# KiCad board fro_dux-v1.kicad_pcb
title: board; rev: v1.0.0; company: Unknown
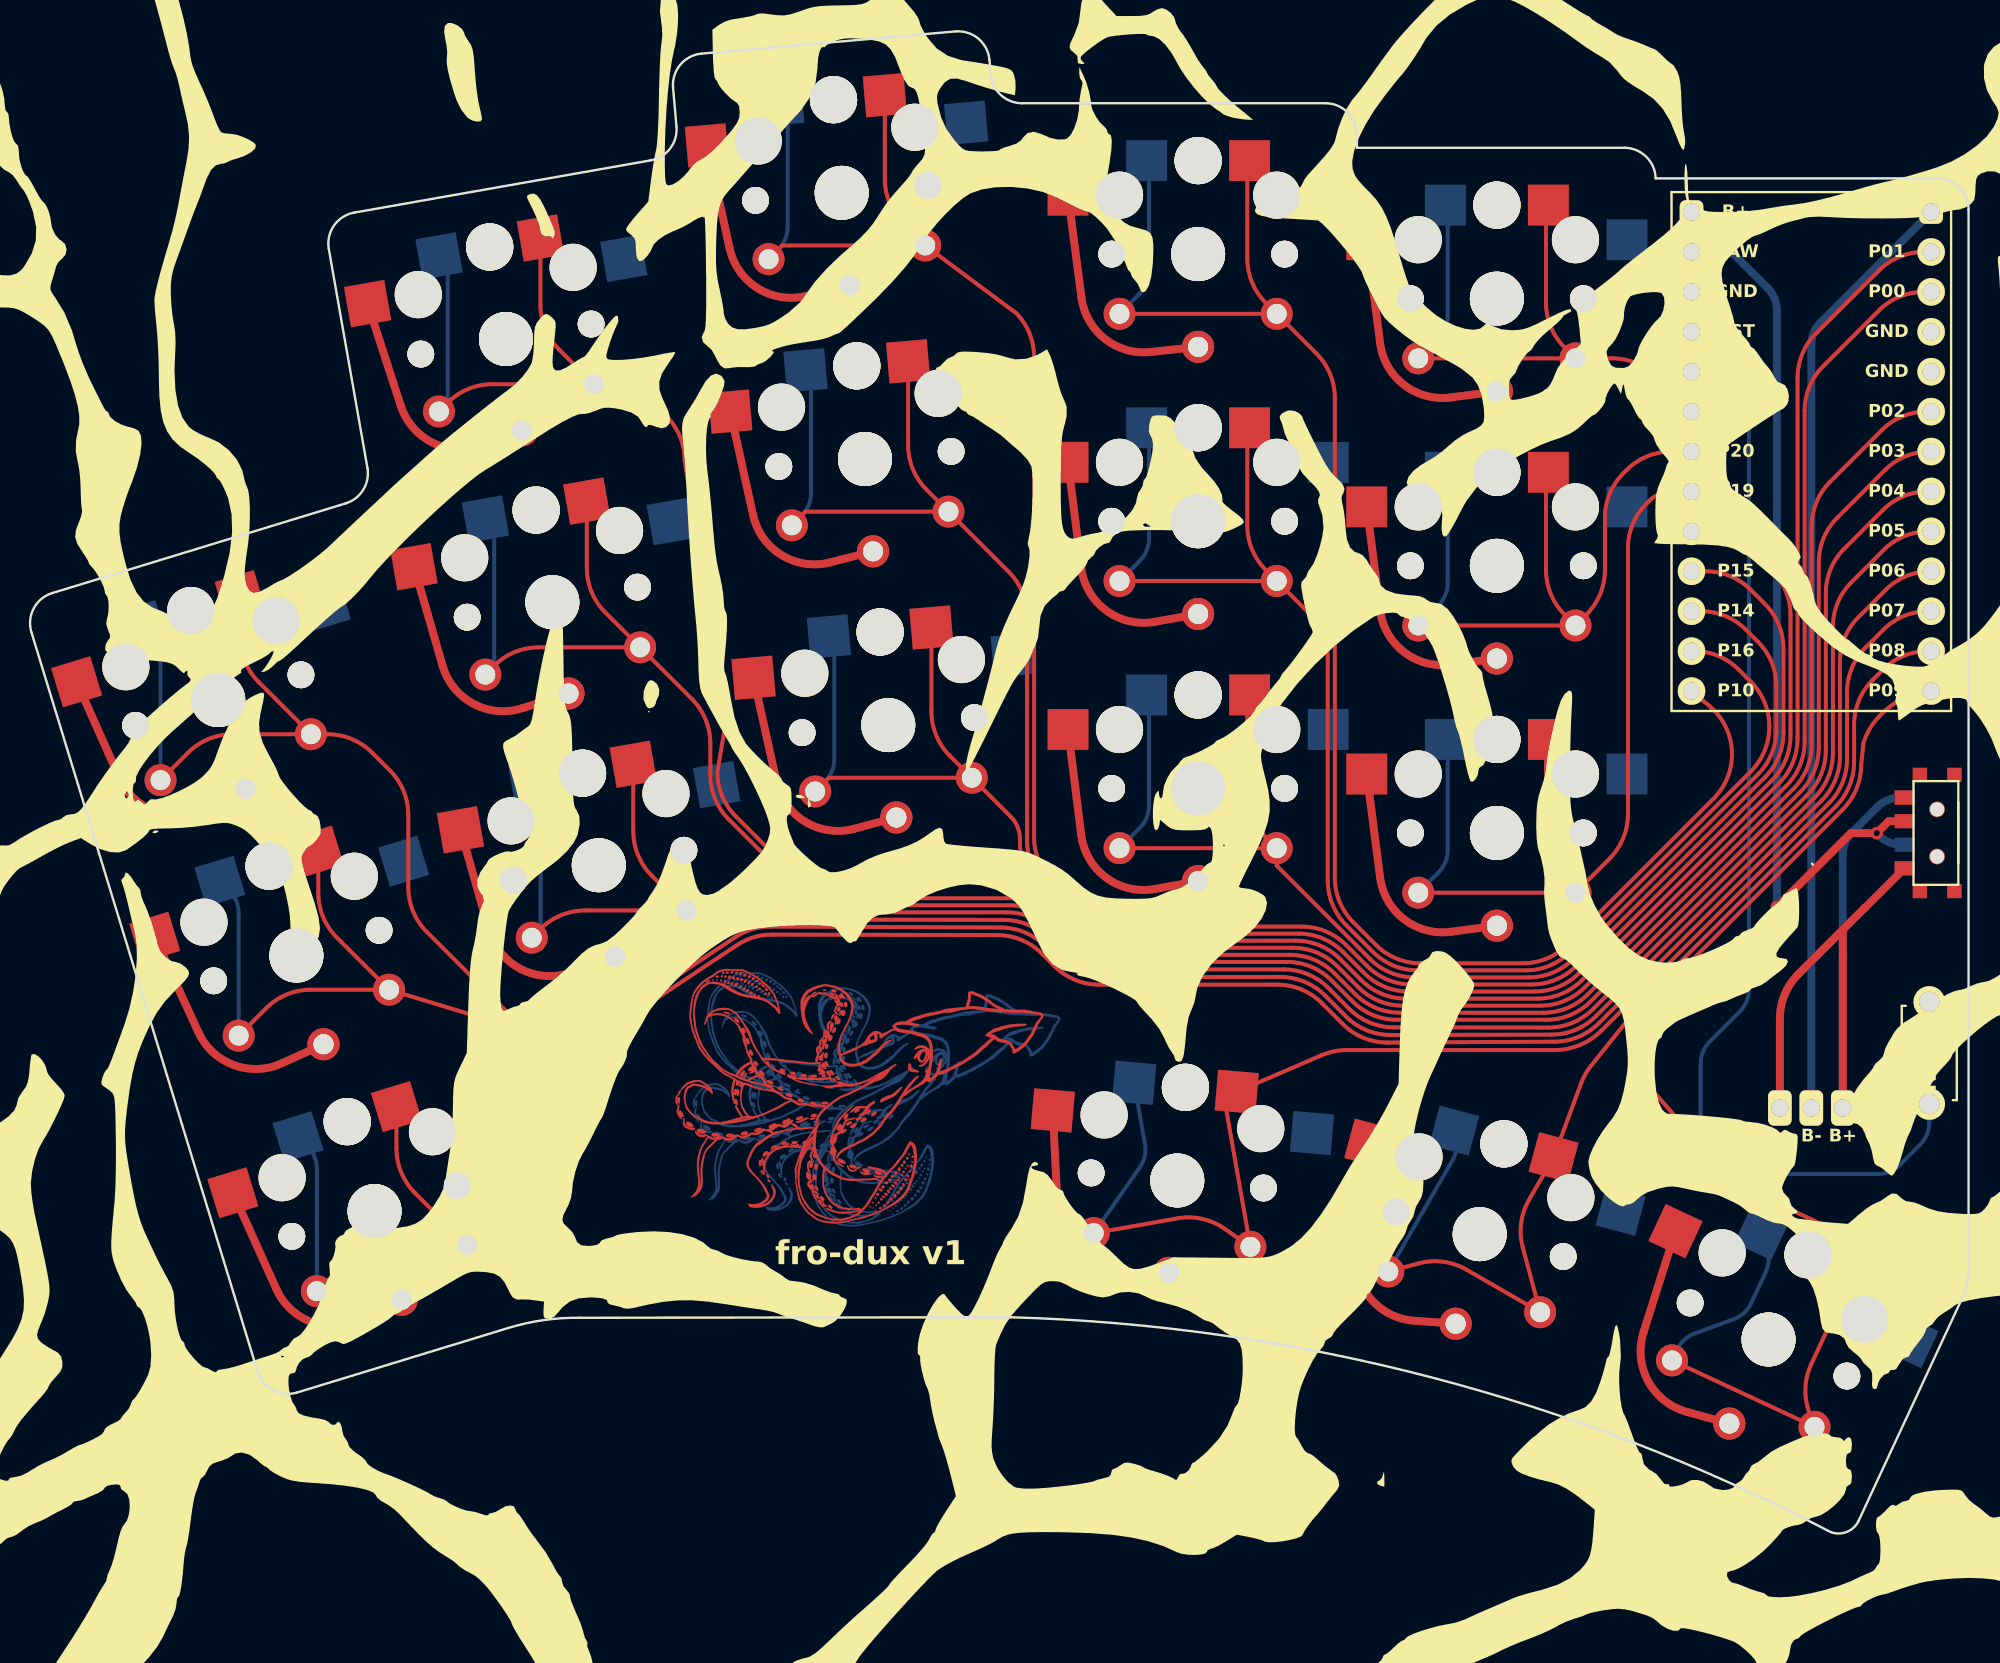
[diagram p0: board, top side]
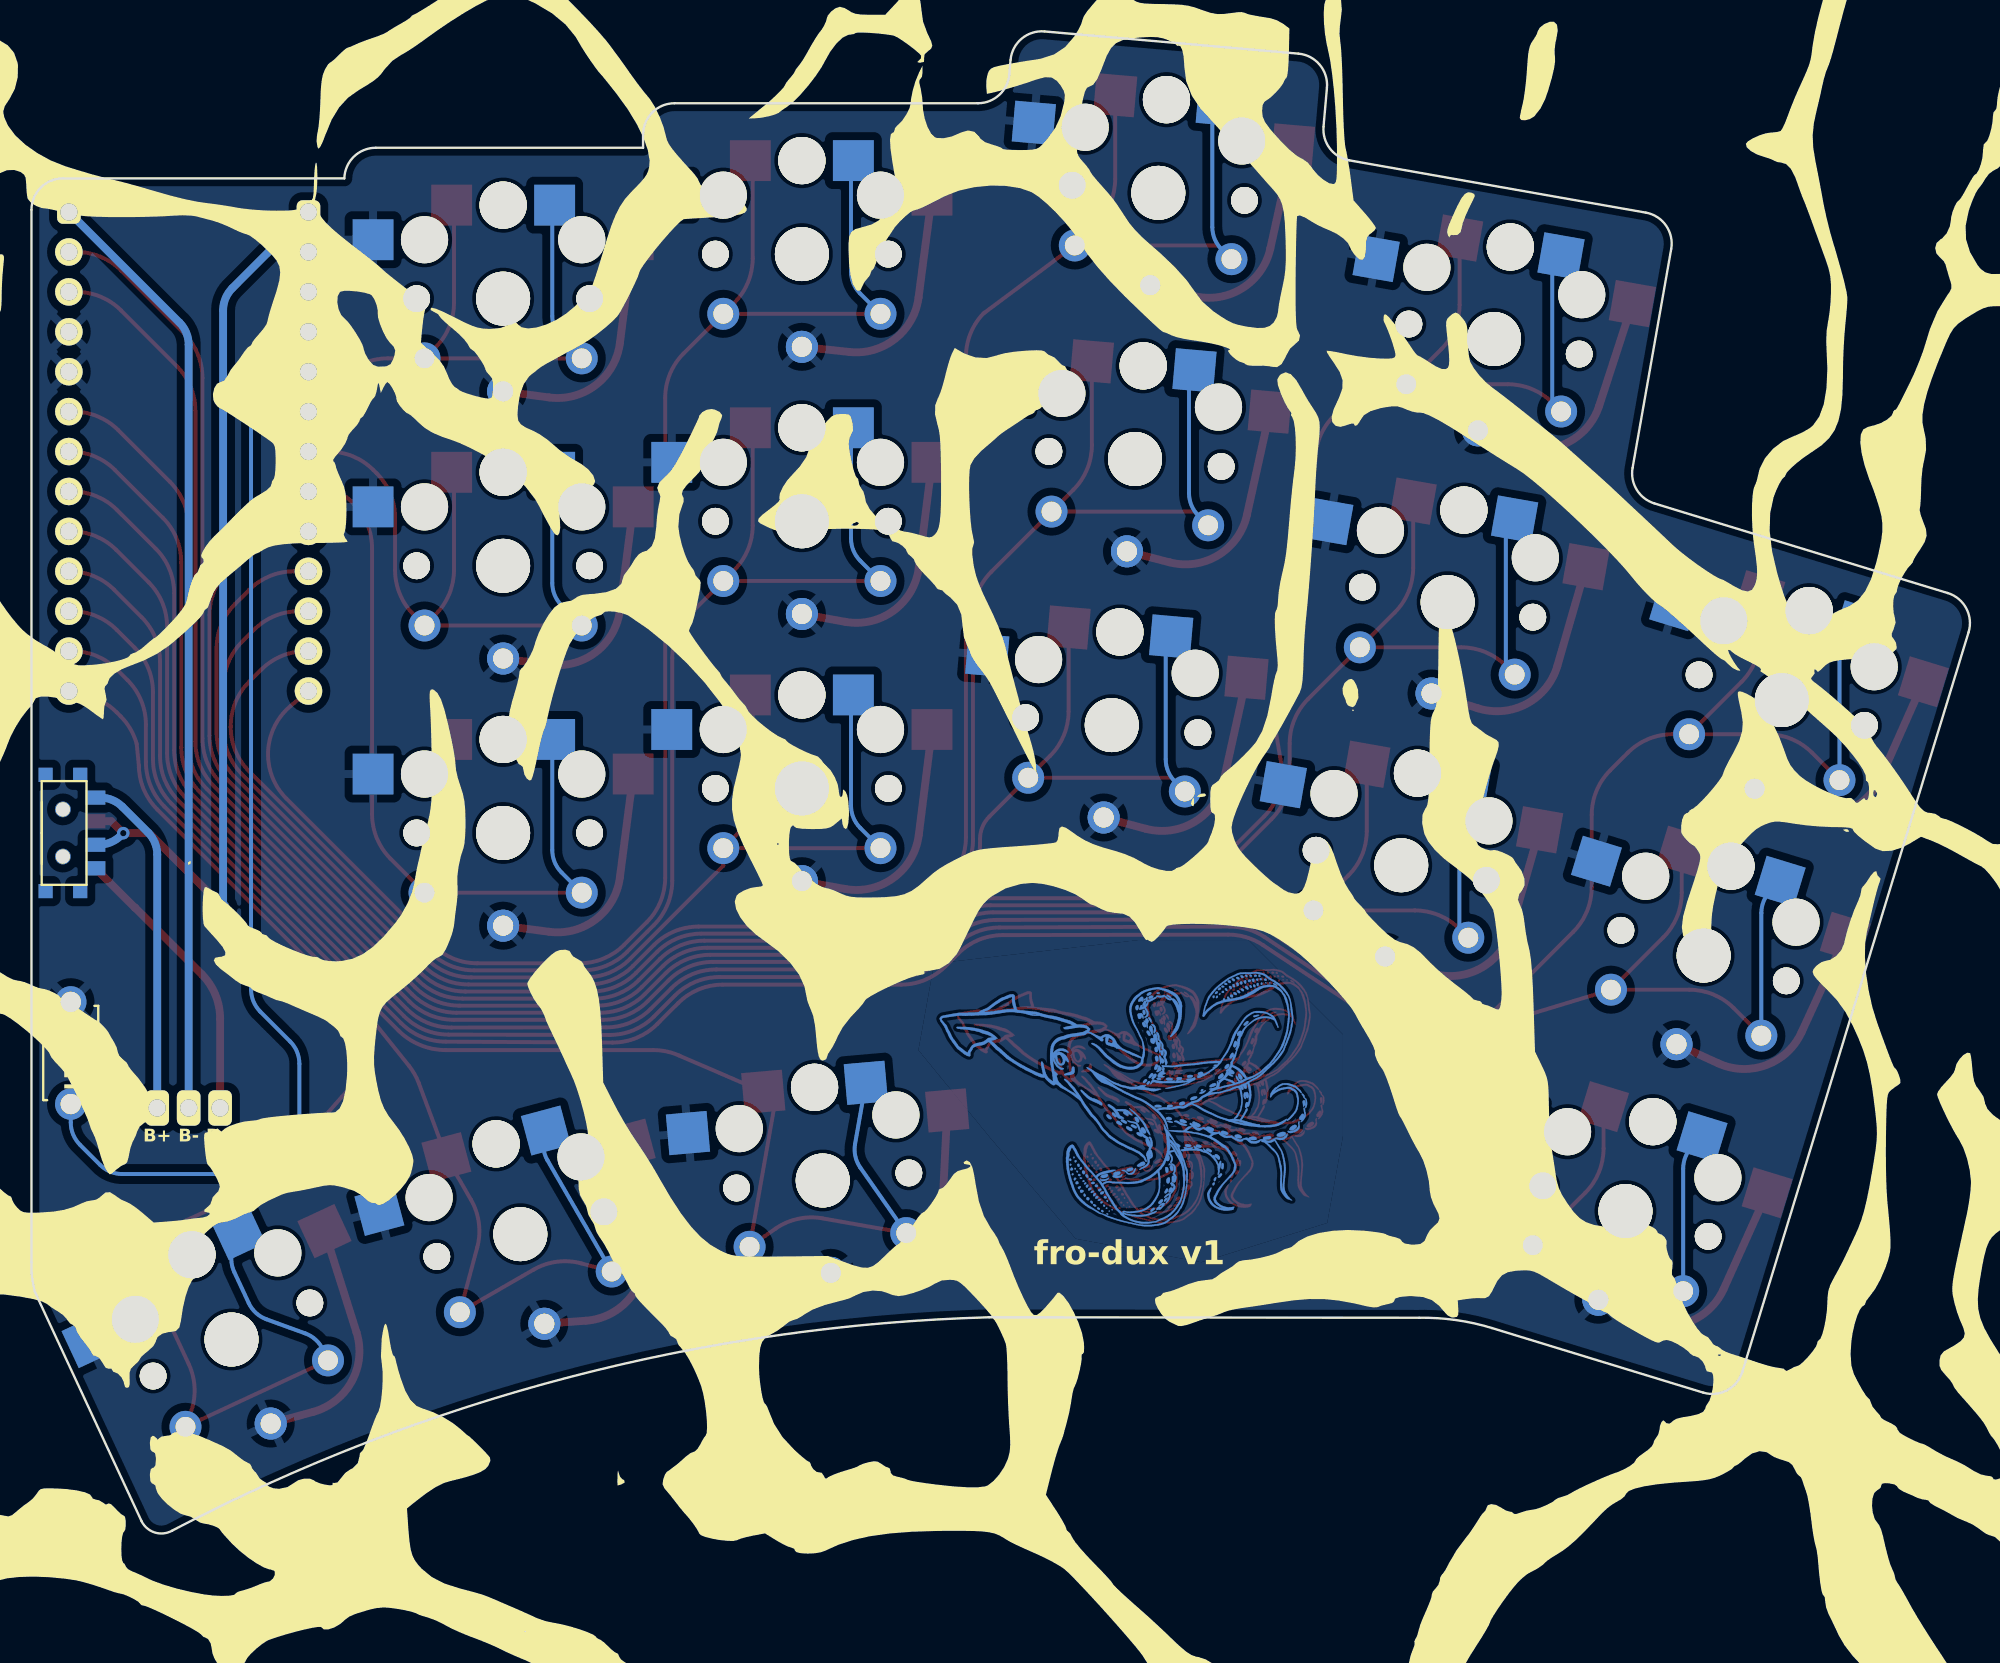
[diagram p1: board, bottom side, seen from below]

Outline 123.2 x 101.82 mm; copper layers: Top, Bottom. Coordinates in mm from the lower left corner of the outline.
Outline path: 0,63.59 arc(0.15,65.11) 1.33,66.08 19.98,71.79 arc(21.1,72.66) 21.37,74.05 18.91,87.98 arc(19.24,89.47) 20.53,90.29 39.38,93.62 arc(40.62,94.37) 41.02,95.76 40.81,98.24 arc(41.27,99.7) 42.63,100.41 58.76,101.82 arc(60.22,101.36) 60.93,100 61.01,99.08 arc(61.65,97.78) 63,97.25 82.3,97.25 arc(83.72,96.66) 84.3,95.25 84.3,94.42 101.3,94.42 arc(102.7,93.85) 103.3,92.47 121.2,92.47 arc(122.62,91.88) 123.2,90.47 123.2,23.5 arc(123.17,22.55) 122.98,21.62 116.2,7.03 arc(115.36,6.3) 114.25,6.42 arc(89.05,16.17) 62.29,20 34.94,19.97 arc(32.6,19.82) 30.31,19.31 16.88,15.21 arc(15.36,15.36) 14.38,16.54 0,63.59

## Placement (name value [footprint] x y rotation side)
B1  -  [ResetSW]  120.7 36.82 270 top
G***  -  [LOGO]  108.29 20.5 0 top
G***#2  LOGO  [BIGSQUID]  50.29 34.5 350 top
G***#3  -  [LOGO]  117.22 20.58 180 bottom
MCU1  -  [ProMicro]  113.2 73.82 270 top
PAD1  -  [bat]  113.2 33.32 0 top
S1  -  [PG1350]  21.82 26.76 17 top
S2  -  [PG1350#2]  21.82 26.76 197 top
S3  -  [PG1350]  16.85 43.01 17 top
S4  -  [PG1350#2]  16.85 43.01 197 top
S5  -  [PG1350]  11.88 59.27 17 top
S6  -  [PG1350#2]  11.88 59.27 197 top
S7  -  [PG1350]  36.08 48.76 10 top
S8  -  [PG1350#2]  36.08 48.76 190 top
S9  -  [PG1350]  33.13 65.5 10 top
S10  -  [PG1350#2]  33.13 65.5 190 top
S11  -  [PG1350]  30.18 82.25 10 top
S12  -  [PG1350#2]  30.18 82.25 190 top
S13  -  [PG1350]  54.49 57.68 5 top
S14  -  [PG1350#2]  54.49 57.68 185 top
S15  -  [PG1350]  53.01 74.61 5 top
S16  -  [PG1350#2]  53.01 74.61 185 top
S17  -  [PG1350]  51.53 91.55 5 top
S18  -  [PG1350#2]  51.53 91.55 185 top
S19  -  [PG1350]  74.2 53.65 0 top
S20  -  [PG1350#2]  74.2 53.65 180 top
S21  -  [PG1350]  74.2 70.65 0 top
S22  -  [PG1350#2]  74.2 70.65 180 top
S23  -  [PG1350]  74.2 87.65 0 top
S24  -  [PG1350#2]  74.2 87.65 180 top
S25  -  [PG1350]  93.2 50.82 0 top
S26  -  [PG1350#2]  93.2 50.82 180 top
S27  -  [PG1350]  93.2 67.82 0 top
S28  -  [PG1350#2]  93.2 67.82 180 top
S29  -  [PG1350]  93.2 84.82 0 top
S30  -  [PG1350#2]  93.2 84.82 180 top
S31  -  [PG1350]  72.88 28.7 355 top
S32  -  [PG1350#2]  72.88 28.7 175 top
S33  -  [PG1350]  92.11 25.29 345 top
S34  -  [PG1350#2]  92.11 25.29 165 top
S35  -  [PG1350#3]  110.48 18.58 335 top
S36  -  [PG1350#2]  110.48 18.58 155 top
T1  -  [SPDT_C128955]  121.2 50.82 270 top
T2  -  [SPDT_C128955#2]  121.2 50.82 270 top

## Footprints (pads in the part's own frame, mm; a bottom-side part is the same pattern mirrored in y, then rotated)
bat
  rrect 1.5x2.25 hole 1.092: 1(-2,0) 1(2,0) 2(0,0)
PG1350
  round 1.702 hole 1.702 unplated: (-5.5,0) (5.5,0)
  round 3 hole 3 unplated: (-5,3.75) (0,5.95) (0,5.95) (5,3.75)
  round 3.429 hole 3.429 unplated: (0,0)
  rect 2.6x2.6 smd far side: 1(-3.275,5.95) 2(8.275,3.75)
  rect 2.6x2.6 smd: 1(3.275,5.95) 2(-8.275,3.75)
PG1350#2
  round 1.702 hole 1.702 unplated: (-5.5,0) (5.5,0)
  round 3.429 hole 3.429 unplated: (0,0)
  round 2.032 hole 1.27: 1(-5,3.8) 1(5,3.8) 2(0,5.9) 2(0,5.9)
PG1350#3
  round 1.702 hole 1.702 unplated: (-5.5,0) (5.5,0)
  round 3 hole 3 unplated: (-5,3.75) (0,5.95) (0,5.95) (5,3.75)
  round 3.429 hole 3.429 unplated: (0,0)
  rect 2.6x2.6 smd far side: 1(-3.275,5.95) 2(8.275,3.75)
  rect 2.6x2.6 smd: 1(3.275,5.95) 2(-8.275,3.75)
ProMicro
  rect 1.753x1.753 hole 1.092: 1(-13.97,-7.62)
  round 1.753 hole 1.092: 2(-11.43,-7.62) 3(-8.89,-7.62) 4(-6.35,-7.62) 5(-3.81,-7.62) 6(-1.27,-7.62) 7(1.27,-7.62) 8(3.81,-7.62) 9(6.35,-7.62) 10(8.89,-7.62) 11(11.43,-7.62) 12(13.97,-7.62) 13(-13.97,7.62) 14(-11.43,7.62) 15(-8.89,7.62) 16(-6.35,7.62) 17(-3.81,7.62) 18(-1.27,7.62) 19(1.27,7.62) 20(3.81,7.62) 21(6.35,7.62) 22(8.89,7.62) 23(11.43,7.62) 24(13.97,7.62)
  rrect 1.5x1.5 hole 1.092: 25(-16.51,7.62) 25(-16.51,-7.62)
ResetSW
  round 2 hole 1.3: 1(3.25,0) 2(-3.25,0)
SPDT_C128955
  rect 0.9x0.9 smd: (-3.7,1.1) (-3.7,-1.1) (3.7,1.1) (3.7,-1.1)
  rect 0.9x1.25 smd: 1(2.25,-2.075) 2(-0.75,-2.075) 3(-2.25,-2.075)
SPDT_C128955#2
  rect 0.9x0.9 smd far side: (-3.7,1.1) (-3.7,-1.1) (3.7,1.1) (3.7,-1.1)
  round 1 hole 0.9 unplated: (-1.5,0) (1.5,0)
  rect 0.9x1.25 smd far side: 1(-2.25,-2.075) 2(0.75,-2.075) 3(2.25,-2.075)

## Nets
GND: B1.2 MCU1.2 MCU1.15 MCU1.16 S1.2 S2.2 S3.2 S4.2 S5.2 S6.2 S7.2 S8.2 S9.2 S10.2 S11.2 S12.2 S13.2 S14.2 S15.2 S16.2 S17.2 S18.2 S19.2 S20.2 S21.2 S22.2 S23.2 S24.2 S25.2 S26.2 S27.2 S28.2 S29.2 S30.2 S31.2 S32.2 S33.2 S34.2 S35.2 S36.2
VCC: MCU1.4
Bminus: PAD1.2
Bminus|Bplus: MCU1.25
Bplus: T1.2 T2.2
Braw: PAD1.1 T1.1 T2.1
P0: MCU1.14 S11.1 S12.1
P1: MCU1.13 S13.1 S14.1
P2: MCU1.17 S9.1 S10.1
P3: MCU1.18 S7.1 S8.1
P4: MCU1.19 S5.1 S6.1
P5: MCU1.20 S3.1 S4.1
P6: MCU1.21 S1.1 S2.1
P7: MCU1.22 S31.1 S32.1
P8: MCU1.23 S33.1 S34.1
P9: MCU1.24 S35.1 S36.1
P10: MCU1.12 S23.1 S24.1
P14: MCU1.10 S19.1 S20.1
P15: MCU1.9 S17.1 S18.1
P16: MCU1.11 S21.1 S22.1
P18: MCU1.8 S15.1 S16.1
P19: MCU1.7 S25.1 S26.1
P20: MCU1.6 S27.1 S28.1
P21: MCU1.5 S29.1 S30.1
RAW: MCU1.1
RST: B1.1 MCU1.3

Pads without a net: T1 3; T2 3

## Via types
v1: diameter 0.8, hole 0.4, Top to Bottom, 2 vias

## Routing (per net, layer and track width the routed paths; a pad name or vN(x,y) marks a point on that pad's centre or on a via; arc(x,y) is an arc through that point)
GND: length 287.6
  Top w0.5: S13.2 47.39,54.08 arc(49.22,51.53) 52.33,51.08 S14.2 ; S20.2 71.45,47.25 arc(68.37,47.96) 66.77,50.69 S19.2 ; S18.2 49.27,84.99 arc(46.2,85.47) 44.41,88.01 S17.2 ; S35.2 102.53,19.04 arc(102.83,15.93) 105.28,13.98 S36.2 ; S10.2 31.21,58.75 arc(28.11,59.03) 26.15,61.45 S9.2 ; S29.2 85.78,81.98 arc(87.31,79.32) 90.27,78.53 S30.2 ; S24.2 71.18,81.42 arc(68.28,82.25) 66.78,84.88 S23.2 ; S12.2 28.72,75.49 arc(25.57,75.62) 23.49,77.99 S11.2 ; S4.2 15.92,36.16 arc(12.87,36.05) 10.62,38.13 S3.2 ; S15.2 45.9,71.04 arc(47.71,68.5) 50.8,68.03 S16.2 ; S28.2 90.27,61.53 arc(87.31,62.32) 85.78,64.98 S27.2 ; S5.2 5.6,54.31 arc(7.89,52.17) 11.03,52.35 S6.2 ; S8.2 34.31,41.95 arc(31.14,42.15) 29.12,44.61 S7.2 ; S33.2 84.25,24.26 arc(85.13,21.23) 87.93,19.78 S34.2 ; S26.2 90.27,44.53 arc(87.31,45.32) 85.78,47.98 S25.2 ; S22.2 71.45,64.25 arc(68.37,64.96) 66.77,67.69 S21.2 ; S32.2 69.6,22.61 arc(66.64,23.59) 65.29,26.4 S31.2 ; S1.2 15.58,21.79 arc(17.88,19.66) 21.01,19.85 S2.2
Bminus: length 60.1
  Bottom w0.5: PAD1.2 113.2,81.88 arc(113.35,82.64) 113.79,83.29 120.82,90.33
Bplus: length 58.7
  Top w0.5: T1.2 118.13,51.57 v1(117.36,50.8) 115.71,50.8 v1(111.01,46.11)
  Bottom w0.5: 105.58,90.33 110.43,85.48 arc(110.86,84.83) 111.01,84.07 v1(111.01,46.11) ; v1(117.36,50.8) 117.52,50.65 arc(118.16,50.22) 118.93,50.07 T2.2
Braw: length 51.6
  Top w0.5: PAD1.1 111.2,39 arc(111.51,40.53) 112.37,41.83 115.2,44.66 ; 115.2,44.66 PAD1.1 ; 115.2,44.66 116.6,46.05 116.62,46.05 T1.1
  Bottom w0.5: PAD1.1 115.2,49.44 arc(115.35,50.2) 115.79,50.85 117.42,52.48 arc(118.07,52.91) 118.83,53.07 T2.1
P0: length 175.5
  Top w0.25: S12.1 26.48,78.2 arc(27.78,79.07) 29.31,79.37 S12.1 ; MCU1.14 120.34,85.25 arc(118.81,84.94) 117.51,84.07 113.95,80.51 arc(113.08,79.21) 112.78,77.68 112.78,56.63 arc(112.47,55.1) 111.61,53.8 98.8,41 arc(97.5,40.13) 95.97,39.83 87.22,39.83 arc(85.69,40.13) 84.39,41 83.05,42.34 arc(81.75,43.21) 80.22,43.51 68.88,43.51 arc(67.35,43.82) 66.05,44.68 65.24,45.49 arc(63.95,46.36) 62.42,46.66 51.66,46.66 arc(50.13,46.97) 48.83,47.84 44.8,51.87 arc(43.93,53.17) 43.63,54.7 44.11,57.58 arc(44.15,58.2) 44.06,58.8 41.54,74.52 arc(41.24,76.05) 40.37,77.35 39.52,78.2 arc(38.23,79.07) 36.7,79.37 S12.1 ; S12.1 33.54,81.59 arc(32.68,82.89) 32.37,84.42 S11.1
  Bottom w0.25: S12.1 26.48,78.2 26.48,86.98 S11.1
P1: length 133.3
  Top w0.25: S14.1 50.72,54.33 S14.1 ; S14.1 58.41,55.73 arc(57.54,57.02) 57.24,58.55 S13.1 ; S14.1 62.29,51.85 arc(62.72,51.2) 62.87,50.44 62.87,50.16 arc(63.18,48.63) 64.04,47.33 66.24,45.13 arc(67.54,44.27) 69.07,43.96 80.41,43.96 arc(81.94,43.66) 83.24,42.79 84.58,41.45 arc(85.88,40.58) 87.41,40.28 95.78,40.28 arc(97.32,40.58) 98.61,41.45 111.16,53.99 arc(112.02,55.29) 112.33,56.82 112.33,79.77 arc(112.63,81.3) 113.5,82.6 117.51,86.61 arc(118.81,87.48) 120.34,87.79 MCU1.13
  Bottom w0.25: S14.1 50.48,54.09 arc(50.91,54.74) 51.06,55.5 51.06,62.97 S13.1
P2: length 150.2
  Top w0.25: S10.1 36.49,64.85 arc(35.63,66.15) 35.32,67.68 S9.1 ; S10.1 42.01,59.34 arc(42.87,58.04) 43.18,56.51 43.18,54.51 arc(43.48,52.98) 44.35,51.68 48.65,47.39 arc(49.94,46.52) 51.47,46.21 62.23,46.21 arc(63.76,45.91) 65.06,45.04 65.87,44.23 arc(67.16,43.37) 68.7,43.06 80.04,43.06 arc(81.57,42.76) 82.86,41.89 84.21,40.55 arc(85.5,39.68) 87.03,39.38 96.16,39.38 arc(97.69,39.68) 98.99,40.55 112.06,53.62 arc(112.92,54.92) 113.23,56.45 113.23,70.33 arc(113.53,71.86) 114.4,73.16 117.69,76.45 arc(118.99,77.32) 120.52,77.63 MCU1.17 ; S10.1 32.26,62.63 arc(30.73,62.32) 29.43,61.46 S10.1
  Bottom w0.25: S10.1 29.43,61.46 29.43,70.24 S9.1
P3: length 135.8
  Top w0.25: S8.1 39.45,48.11 arc(38.58,49.41) 38.27,50.94 S7.1 ; S8.1 35.21,45.89 arc(33.68,45.58) 32.38,44.72 S8.1 ; S8.1 41.79,45.77 62.04,45.77 arc(63.57,45.46) 64.87,44.59 65.68,43.78 arc(66.98,42.92) 68.51,42.61 79.85,42.61 arc(81.38,42.31) 82.68,41.44 84.02,40.1 arc(85.32,39.23) 86.85,38.93 96.34,38.93 arc(97.87,39.23) 99.17,40.1 112.5,53.43 arc(113.37,54.73) 113.68,56.26 113.68,68.04 arc(113.98,69.57) 114.85,70.87 117.89,73.91 arc(119.19,74.78) 120.72,75.09 MCU1.18
  Bottom w0.25: S8.1 32.38,44.71 32.38,53.49 S7.1
P4: length 171.4
  Top w0.25: S6.1 12.79,57.1 arc(11.26,56.79) 9.96,55.93 S6.1 ; S6.1 14.44,60.43 arc(13.58,61.73) 13.27,63.26 S5.1 ; S6.1 18.84,57.1 arc(20.37,56.79) 21.66,55.93 22.8,54.8 arc(23.66,53.5) 23.97,51.97 23.97,47.36 arc(24.27,45.83) 25.14,44.53 30.06,39.61 arc(31.36,38.74) 32.89,38.43 34.15,38.47 arc(35.24,38.65) 36.24,39.13 44.63,44.65 arc(45.68,45.15) 46.84,45.31 61.84,45.28 arc(63.38,44.98) 64.67,44.11 65.48,43.3 arc(66.78,42.44) 68.31,42.13 79.65,42.13 arc(81.18,41.83) 82.48,40.96 83.82,39.62 arc(85.12,38.75) 86.65,38.45 96.49,38.43 arc(98.02,38.74) 99.31,39.61 112.95,53.25 arc(113.82,54.54) 114.13,56.07 114.13,66.08 arc(114.43,67.61) 115.3,68.91 117.77,71.37 arc(119.06,72.24) 120.6,72.55 MCU1.19
  Bottom w0.25: S5.1 7.62,63.39 arc(8.06,62.74) 8.21,61.97 S6.1
P5: length 153.2
  Top w0.25: S4.1 31.79,38.1 arc(32.42,37.96) 33.06,37.93 34.3,37.96 arc(35.4,38.14) 36.41,38.63 44.77,44.19 arc(45.84,44.69) 47,44.86 61.63,44.8 arc(63.16,44.5) 64.46,43.63 65.27,42.82 arc(66.57,41.95) 68.1,41.65 79.44,41.65 arc(80.97,41.34) 82.27,40.48 83.61,39.14 arc(84.91,38.27) 86.44,37.96 96.67,37.99 arc(98.2,38.29) 99.5,39.16 113.4,53.06 arc(114.27,54.36) 114.58,55.89 114.58,63.94 arc(114.88,65.47) 115.75,66.76 117.82,68.83 arc(119.12,69.7) 120.65,70.01 MCU1.20 ; S4.1 19.41,44.17 arc(18.55,45.47) 18.24,47 S3.1 ; S4.1 17.76,40.84 arc(16.23,40.54) 14.93,39.67 S4.1
  Bottom w0.25: S3.1 12.59,47.13 arc(13.03,46.48) 13.18,45.72 S4.1
P6: length 153
  Top w0.25: S2.1 19.9,23.41 arc(21.2,24.28) 22.73,24.59 S2.1 ; S2.1 35.2,36.81 arc(35.73,37.49) 36.4,38.05 44.87,43.68 arc(45.94,44.18) 47.1,44.35 61.43,44.32 arc(62.96,44.01) 64.26,43.15 65.07,42.34 arc(66.37,41.47) 67.9,41.16 79.24,41.16 arc(80.77,40.86) 82.07,39.99 83.41,38.65 arc(84.71,37.78) 86.24,37.48 96.86,37.54 arc(98.39,37.84) 99.69,38.71 113.85,52.87 arc(114.72,54.17) 115.02,55.7 115.02,61.72 arc(115.33,63.25) 116.2,64.55 117.94,66.29 arc(119.24,67.16) 120.77,67.47 MCU1.21 ; S2.1 24.39,27.91 arc(23.52,29.21) 23.21,30.74 S1.1
  Bottom w0.25: S1.1 17.57,30.87 arc(18,30.23) 18.15,29.46 S2.1
P7: length 92
  Top w0.25: S32.1 72.9,26.29 arc(74.46,26.26) 75.89,25.63 S32.1 75.96,33.35 S31.1 ; S31.1 76.99,34.82 ; S31.1 82.01,36.65 arc(82.81,36.91) 83.64,37 96.85,37 arc(98.48,37.32) 99.86,38.25 114.3,52.69 arc(115.17,53.99) 115.47,55.52 115.47,59.78 arc(115.78,61.31) 116.65,62.61 117.79,63.75 arc(119.09,64.62) 120.62,64.93 MCU1.22
  Bottom w0.25: S31.1 70.82,31.02 arc(70.8,30.24) 70.49,29.53 S32.1
P8: length 73.2
  Top w0.25: S34.1 88.23,23.43 arc(89.79,23.53) 91.27,23.03 S34.1 94.85,24.45 arc(94.75,26) 95.25,27.48 S33.1 98.57,34.9 arc(98.84,35.47) 99.19,36 102.96,40.71 114.75,52.5 arc(115.62,53.8) 115.92,55.33 115.92,57.72 arc(116.23,59.25) 117.1,60.54 117.77,61.21 arc(119.06,62.08) 120.6,62.39 MCU1.23
  Bottom w0.25: S34.1 90.39,29.99 arc(90.64,30.73) 90.59,31.51 S33.1
P9: length 84.1
  Top w0.25: S35.1 115.76,22.52 113.2,17.02 arc(112.83,15.5) 113.07,13.96 S36.1 S36.1 ; S35.1 115.38,24.03 arc(114.57,25.29) 113.35,26.16 109.07,28.14 arc(108.35,28.57) 107.73,29.14 103.46,34.02 arc(102.6,35.32) 102.29,36.85 102.29,37.75 arc(102.6,39.28) 103.46,40.58 115.2,52.32 arc(116.07,53.61) 116.37,55.14 116.51,56.49 arc(116.91,57.43) 117.53,58.24 117.79,58.5 arc(119.09,59.37) 120.62,59.67 ; S35.1 115.58,23.64 ; 116.36,54.99 116.37,55 116.37,55
  Bottom w0.25: S35.1 110.37,24.41 arc(110.49,23.64) 110.31,22.88 109.38,20.9 arc(108.92,20.28) 108.25,19.87 105.79,18.97 arc(105.12,18.57) 104.66,17.94 S36.1
P10: length 107.4
  Top w0.25: S24.1 81.72,81.33 arc(82.59,80.03) 82.9,78.5 82.9,47.97 arc(83.2,46.43) 84.07,45.14 85.51,43.7 arc(86.81,42.83) 88.34,42.52 94.85,42.52 arc(96.38,42.83) 97.68,43.7 106.98,53 arc(108.15,56.01) 106.72,58.9 MCU1.12 ; S24.1 S24.1 ; S24.1 78.5,84.55 arc(77.63,85.85) 77.33,87.38 77.33,93.45 S23.1
  Bottom w0.25: S24.1 70.49,85.14 arc(70.93,85.79) 71.08,86.55 71.08,93.45 S23.1
P14: length 84.5
  Top w0.25: S20.1 S20.1 ; S20.1 79.2,48.73 85.14,42.8 arc(86.43,41.93) 87.97,41.62 95.23,41.62 arc(96.76,41.93) 98.05,42.8 109.81,54.55 arc(110.67,55.85) 110.98,57.38 110.98,60.16 arc(110.67,61.69) 109.81,62.98 109.04,63.75 arc(107.74,64.62) 106.21,64.93 MCU1.10 ; S20.1 78.5,50.55 arc(77.63,51.85) 77.33,53.38 77.33,59.45 S19.1
  Bottom w0.25: S19.1 71.08,59.45 71.08,52.55 arc(70.93,51.79) 70.49,51.14 S20.1
P15: length 145.1
  Top w0.25: MCU1.9 106.51,67.47 arc(108.04,67.16) 109.34,66.29 110.26,65.38 arc(111.12,64.08) 111.43,62.55 111.43,57.19 arc(111.12,55.66) 110.26,54.36 98.24,42.35 arc(96.94,41.48) 95.41,41.18 87.78,41.18 arc(86.25,41.48) 84.95,42.35 83.61,43.69 arc(82.31,44.56) 80.78,44.86 69.44,44.86 arc(67.91,45.17) 66.61,46.03 64.94,47.7 arc(64.07,49) 63.77,50.53 63.77,81.1 arc(63.47,82.63) 62.6,83.93 ; S17.1 54.28,92.42 arc(54.58,90.89) 55.45,89.6 S18.1 ; 62.66,83.87 S18.1 ; S18.1 47.75,88.2 S18.1
  Bottom w0.25: S18.1 47.51,87.96 arc(47.95,88.61) 48.1,89.37 48.1,96.84 S17.1
P16: length 96.9
  Top w0.25: S22.1 78.5,67.55 arc(77.63,68.85) 77.33,70.38 77.33,76.45 S21.1 ; S22.1 S22.1 ; S22.1 81.27,64.78 arc(82.14,63.48) 82.45,61.95 82.45,47.78 arc(82.75,46.25) 83.62,44.95 85.32,43.25 arc(86.62,42.38) 88.15,42.07 95.04,42.07 arc(96.57,42.38) 97.87,43.25 109.36,54.74 arc(110.23,56.03) 110.53,57.56 110.53,57.61 arc(110.23,59.14) 109.36,60.44 108.58,61.21 arc(107.28,62.08) 105.75,62.39 MCU1.11
  Bottom w0.25: S22.1 70.49,68.14 arc(70.93,68.79) 71.08,69.55 71.08,76.45 S21.1
P18: length 131
  Top w0.25: S16.1 49.24,71.26 S16.1 ; S16.1 56.93,72.66 arc(56.06,73.96) 55.76,75.49 S15.1 ; S16.1 62.15,67.44 arc(63.02,66.14) 63.32,64.61 63.32,50.34 arc(63.62,48.81) 64.49,47.52 66.43,45.58 arc(67.72,44.72) 69.25,44.41 80.59,44.41 arc(82.12,44.11) 83.42,43.24 84.76,41.9 arc(86.06,41.03) 87.59,40.73 95.6,40.73 arc(97.13,41.03) 98.43,41.9 110.71,54.18 arc(111.57,55.47) 111.88,57.01 111.88,64.69 arc(111.57,66.22) 110.71,67.52 109.39,68.83 arc(108.09,69.7) 106.56,70.01 MCU1.8
  Bottom w0.25: S16.1 48.99,71.02 arc(49.43,71.67) 49.58,72.44 49.58,79.91 S15.1
P19: length 60.3
  Top w0.25: MCU1.7 104.32,72.55 arc(103.56,72.39) 102.91,71.96 102.71,71.76 arc(101.84,70.46) 101.54,68.93 101.54,52.01 arc(101.24,50.48) 100.37,49.18 S26.1 ; S26.1 S26.1 ; S26.1 97.5,47.72 arc(96.63,49.02) 96.33,50.55 96.33,56.62 S25.1
  Bottom w0.25: S26.1 89.49,48.31 arc(89.93,48.95) 90.08,49.72 90.08,56.62 S25.1
P20: length 46.3
  Top w0.25: S28.1 97.5,64.72 arc(96.63,66.02) 96.33,67.55 96.33,73.62 S27.1 ; S28.1 98.91,64.72 arc(99.77,66.02) 100.08,67.55 100.08,70.88 arc(100.38,72.41) 101.25,73.7 101.46,73.91 arc(102.76,74.78) 104.29,75.09 MCU1.6 ; S28.1 S28.1
  Bottom w0.25: S27.1 90.08,73.62 90.08,66.72 arc(89.93,65.95) 89.49,65.31 S28.1
P21: length 40.1
  Top w0.25: S29.1 96.33,90.62 96.33,84.55 arc(96.63,83.02) 97.5,81.72 S30.1 ; S30.1 S30.1 87.79,81.02 87.67,81.13 ; S30.1 100.54,81.02 arc(102.07,80.71) 103.36,79.84 MCU1.5
  Bottom w0.25: S30.1 89.49,82.31 arc(89.93,82.95) 90.08,83.72 90.08,90.62 S29.1
RST: length 71.7
  Bottom w0.25: MCU1.3 108.65,79.64 arc(109.08,78.99) 109.24,78.22 109.24,40.86 arc(109.08,40.1) 108.65,39.45 106.75,37.55 arc(106.31,36.9) 106.16,36.13 106.16,32.71 arc(106.31,31.94) 106.75,31.3 108.35,29.7 arc(108.99,29.27) 109.76,29.11 117.42,29.11 arc(118.19,29.27) 118.84,29.7 120.12,30.98 arc(120.55,31.63) 120.7,32.39 B1.1

## Copper pours and planes (outline as drawn; the poured copper is in the pictures)
GND on Bottom: 141.19,92.08 147.13,-9.22 -0.75,-5.18 -33.36,87.48 45.58,115.24
GND on Bottom: 52.79,44 65.79,42.5 66.79,37 62.29,31.5 56.79,25 48.79,23.5 40.79,26 39.79,31.5 39.79,38 45.79,44

## Text on the board
B.Silkscreen: fro-dux v1
F.Silkscreen: fro-dux v1
